# Altium PCB Magway.PcbDoc
Units mm, origin at the board's own origin, x right, y up, seen from the top; angles counter-clockwise.
Board outline 24.9 x 12.6 mm, 4 copper layers (Top Layer, Layer 1, Layer 2, Bottom Layer), stack 0.603 mm thick; 30 components, 28 nets, 159 pads, 61 vias.
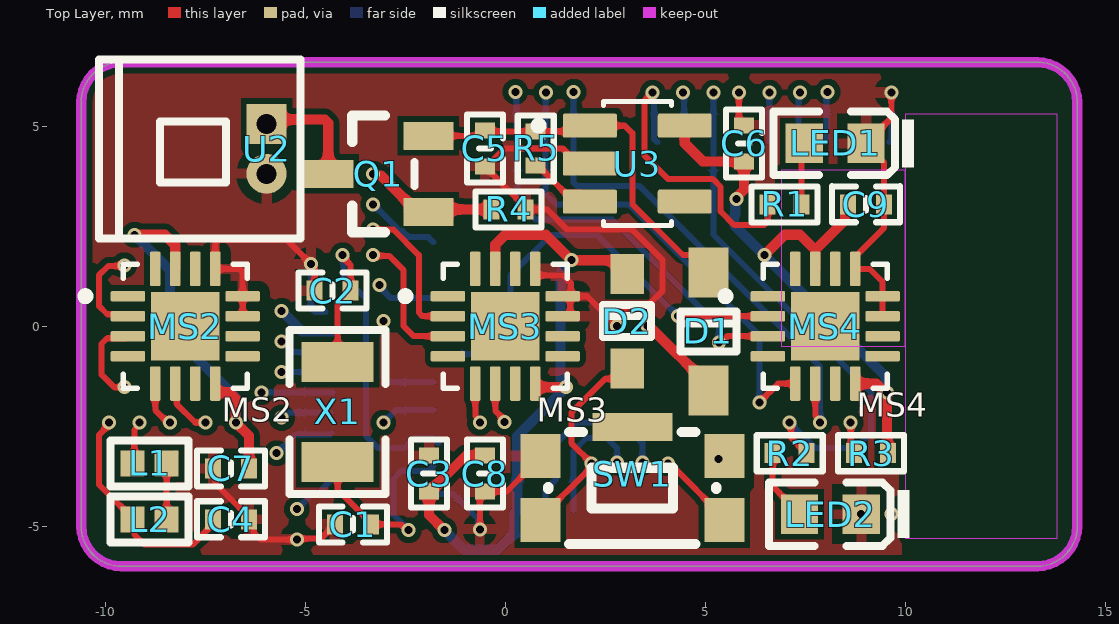
[diagram p0: Top Layer view]
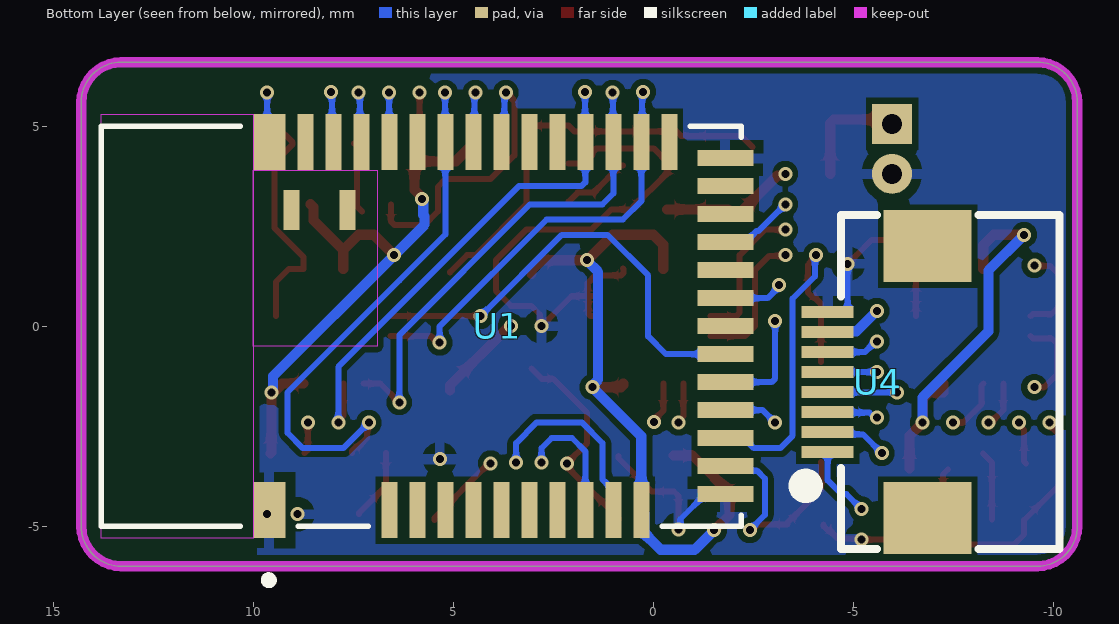
[diagram p1: Bottom Layer view, seen from below]
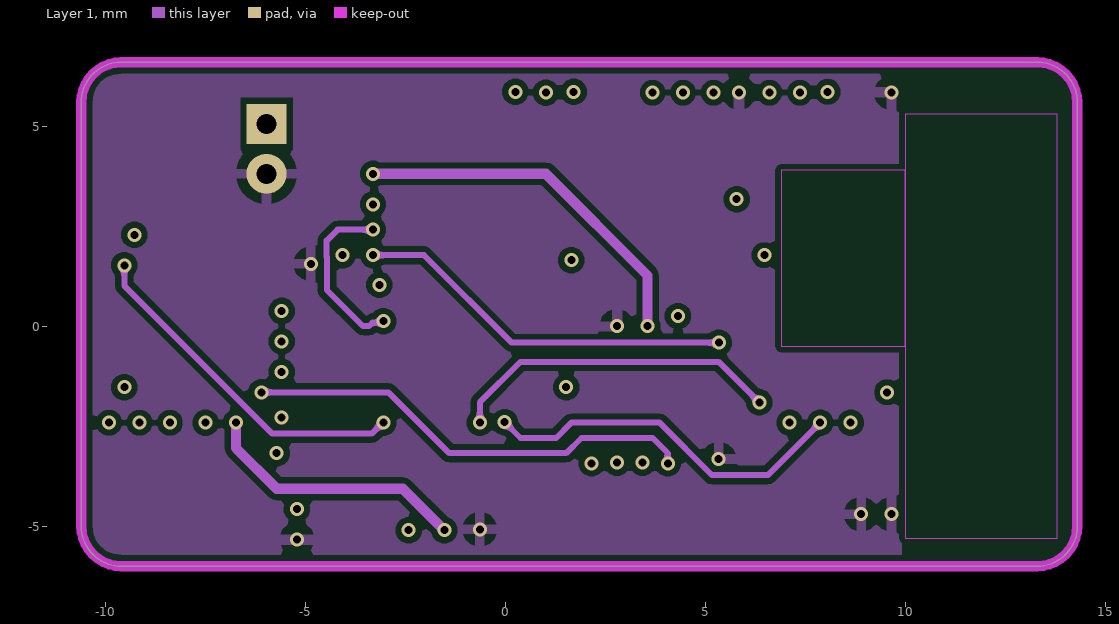
[diagram p2: Layer 1]
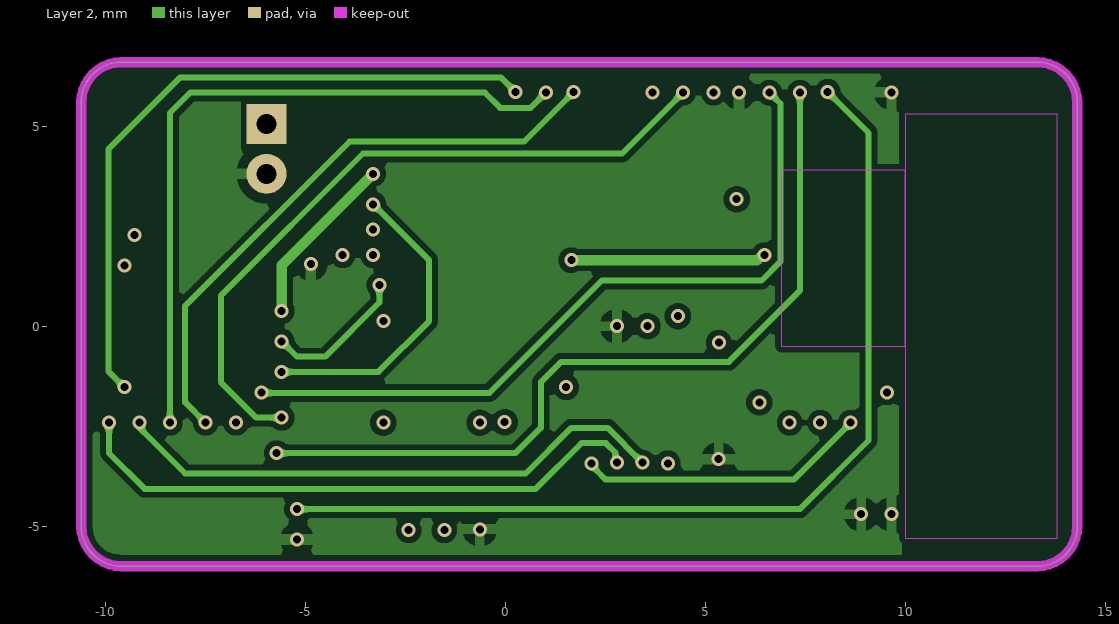
[diagram p3: Layer 2]
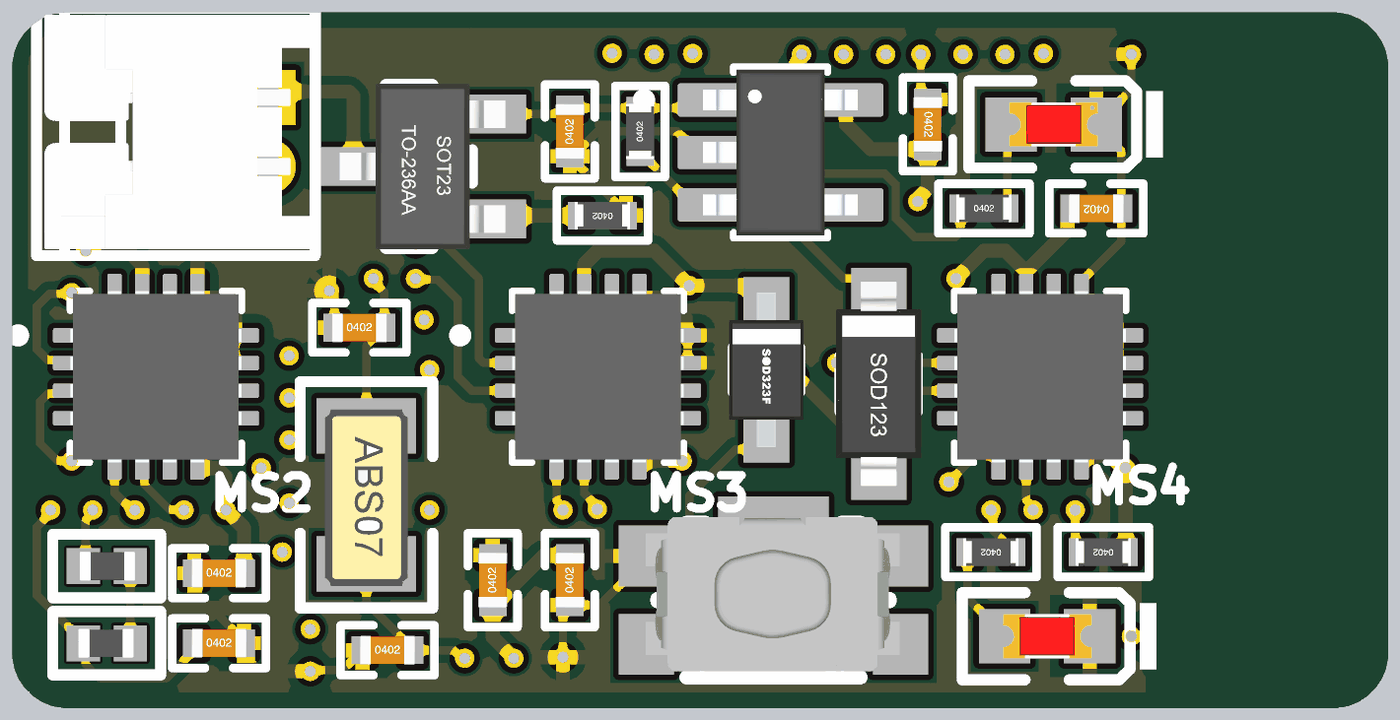
[diagram p4: 3D render of the assembled board from above, using the file's embedded part models]

## Layer stack, top to bottom
Top Solder: solder mask 0.0102, Solder Resist, Dk 3.5
Top Layer: signal copper 0.0356
Dielectric 2: prepreg 0.0711, PP-006, Dk 4.1
Layer 1: signal copper 0.035
Dielectric 1: dielectric 0.32, FR-4, Dk 4.8
Layer 2: signal copper 0.035
Dielectric 3: prepreg 0.0711, PP-006, Dk 4.1
Bottom Layer: signal copper 0.0356
Bottom Solder: solder mask 0.0102, Solder Resist, Dk 3.5

## Board outline
-10.6,-5 -10.6,5.6 cw(c-9.6,5.6) -9.6,6.6 13.3,6.6 cw(c13.3,5.6) 14.3,5.6 14.3,-5 cw(c13.3,-5) 13.3,-6 -9.6,-6 cw(c-9.6,-5)

## Design rules (kind name [scope] priority, off if disabled: settings)
Clearance [All] p1: gap=0.15 ignorepadtopadclearanceinfootprint=FALSE
PolygonConnect [All] p1: connectstyle=Relief reliefconductorwidth=0.254 reliefentries=4 polygonreliefangle="90 Angle" airgapwidth=0.254
RoutingVias [All] p1: holewidth=0.711 width=1.27 viastyle="Through Hole" minholewidth=0.2 minwidth=0.35 maxholewidth=0.711 maxwidth=1.27
SolderMaskExpansion [All] p1: expansion=0.102 istentingtop=FALSE
Width [All] p1: maxlimit=0.254 minlimit=0.15 preferedwidth=0.15
30 further rules are at their usual default settings.

## Components (designator, comment, footprint, x,y, rotation, side; value= is the part's Value field where it differs from the comment)
C1 "12pF" 0402_C -3.81,-4.953 r0 top
C2 "12pF" 0402_C -4.318,0.889 r0 top
C3 "10uF" 0402_C -1.905,-3.683 r90 top
C4 "1uF" 0402_C -6.858,-4.826 r0 top
C5 "10uF" 0402_C -0.508,4.445 r90 top
C6 "10uF" 0402_C 5.969,4.572 r270 top
C7 "0.1uF" 0402_C -6.858,-3.556 r0 top
C8 "0.1uF" 0402_C -0.508,-3.683 r90 top
C9 "0.1uF" 0402_C 9.017,3.048 r180 top
D1 "LMBR120FT1G" SOD-123 5.08,-0.127 r270 top
D2 "1N4148" SOD-323F 3.048,0.127 r270 top
L1 "10uH" 0402_L -8.89,-3.429 r0 top
L2 "15nH" 0402_L -8.89,-4.826 r180 top
LED1 "RED" 0603_LED_S1 8.247,4.572 r180 top
LED2 "BLUE" 0603_LED_S1 8.128,-4.699 r180 top
MS2 "MLX90393SLW ABA 011 RE" VQFN-16_EP_3.0x3.0xo.5P -8,0 r0 top
MS3 "MLX90393SLW ABA 011 RE" VQFN-16_EP_3.0x3.0xo.5P 0,0 r0 top locked
MS4 "MLX90393SLW ABA 011 RE" VQFN-16_EP_3.0x3.0xo.5P 8,0 r0 top locked
Q1 "SI2301CDS-T1-GE3" SOT-23(SOT-23-3) -3.175,3.81 r0 top
R1 "1KΩ" 0402_R 6.985,3.048 r0 top
R2 "1KΩ" 0402_R 7.112,-3.175 r180 top
R3 "10KΩ" 0402_R 9.144,-3.175 r180 top
R4 "100KΩ" 0402_R 0.083,2.921 r180 top
R5 "100KΩ" 0402_R 0.762,4.445 r90 top
SW1 "KMR231GLFS" KMR231GLFS 3.175,-3.683 r0 top
U1 "MDBT42Q-512KV2" SMD_10.0X16.0 3.9,0 r90 bottom locked
U2 "CELL HOLDER" "BAT_MX 1.25-WI-2P" -5.969,4.435 r270 top
U3 "AP2112K-3.3TRG1" SOT95P285X140-5N 3.302,4.064 r0 top
U4 "USB_CHARGING_BOARD" "FPC0.5 2H-WS-8P" -6.858,-1.397 r90 bottom
X1 "32.768KHz" "SMD-3215_2P FC - 135" -4.191,-2.139 r270 top

## Footprints (in the part's own frame and the unit in brackets; to place one, negate y for a bottom-side part, rotate by r counter-clockwise, add the part's x,y. Pads: shape width x height; smd on the part's side, far side on the other; paste and mask are expansions set on the pad)
0402_C [mm] "无极性贴片电容"
  rect 0.4x0.5 smd: 1(-0.45,0) 2(0.45,0)
  silkscreen extent -0.85,-0.45 0.85,0.45, body extent -0.5,-0.26 0.5,0.26, height 0.54
0402_L [mm]
  rect 0.6x0.65 smd mask+0.051: 1(-0.425,0) 2(0.425,0)
  silkscreen extent -0.97,-0.58 0.97,0.58, body extent -0.51,-0.26 0.54,0.26, height 0.36
0402_R [mm] "1/16W贴片电阻"
  rect 0.4x0.5 smd: 1(-0.425,0) 2(0.425,0)
  silkscreen extent -0.82,-0.45 0.83,0.45, body extent -0.5,-0.25 0.5,0.25, height 0.3
0603_LED_S1 [mm]
  rect 0.93x0.98 smd: A(0.77,0) K(-0.77,0)
  silkscreen extent -1.98,-0.79 1.54,0.79, body extent -0.8,-0.4 0.8,0.4, height 0.6
"BAT_MX 1.25-WI-2P" [mm] "长：4.25mm，宽：1.8mm，高：3.3mm"
  rect 1x1 hole 0.5: 1(-0.625,0)
  round 1 hole 0.5: 2(0.625,0)
  silkscreen extent -2.24,-4.19 2.24,0.85, body extent -2.12,-4.05 2.13,0.85, height 3.35
"FPC0.5 2H-WS-8P" [mm] "长：8.2mm，宽：5.2mm，高：2mm 淘宝ID:黄晶宝石   店铺网址:https://shop463601444.taobao.com"
  rect 1.8x2.2 smd: 0(-3.4,0) 0(3.4,0)
  rect 0.3x1.3 smd: 1(-1.75,2.497) 2(-1.25,2.497) 3(-0.75,2.497) 4(-0.25,2.497) 5(0.25,2.497) 6(0.75,2.497) 7(1.25,2.497) 8(1.75,2.497)
  silkscreen extent -4.17,-3.3 4.17,3.23, body extent -3.75,-2.99 3.75,2.41, height 2.92
KMR231GLFS [mm]
  rect 1x1.1 smd: 1(-2.3,-1.162) 2(-2.3,0.438) 3(2.3,-1.162) 4(2.3,0.438)
  rect 2x0.7 smd: 5(0,1.162)
  silkscreen extent -2.1,-1.76 2.1,1.04, body extent -2.31,-1.65 2.29,1.15, height 1.92
"SMD-3215_2P FC - 135" [mm]
  rect 1x1.8 smd: 1(-1.25,0) 2(1.25,0)
  silkscreen extent -2.05,-1.2 2.05,1.2, body extent -1.55,-0.75 1.65,0.75, height 0.89
SMD_10.0X16.0 [mm]
  rect 1.4x0.8 smd: 1(-4.6,5.7) 39(4.6,5.7)
  rect 1.4x0.4 smd: 2(-4.6,2.7) 3(-4.6,2) 4(-4.6,1.3) 5(-4.6,0.6) 6(-4.6,-0.1) 7(-4.6,-0.8) 8(-4.6,-1.5) 9(-4.6,-2.2) 10(-4.6,-2.9) 11(-4.6,-3.6) 25(4.6,-4.3) 26(4.6,-3.6) 27(4.6,-2.9) 28(4.6,-2.2) 29(4.6,-1.5) 30(4.6,-0.8) 31(4.6,-0.1) 32(4.6,0.6) 33(4.6,1.3) 34(4.6,2) 35(4.6,2.7) 36(4.6,3.4) 37(4.6,4.1) 38(4.6,4.8)
  rect 0.4x1.4 smd: 12(-4.2,-5.7) 13(-3.5,-5.7) 14(-2.8,-5.7) 15(-2.1,-5.7) 16(-1.4,-5.7) 17(-0.7,-5.7) 18(0,-5.7) 19(0.7,-5.7) 20(1.4,-5.7) 21(2.1,-5.7) 22(2.8,-5.7) 23(3.5,-5.7) 24(4.2,-5.7)
  rect 1x0.4 smd: 40(2.9,5.15) 41(2.9,3.75)
  Keep-Out Layer region: 5.3,6.1 -5.3,6.1 -5.3,9.9 5.3,9.9
  Keep-Out Layer region: 5.3,6.1 -5.3,6.1 -5.3,9.9 5.3,9.9
  Keep-Out Layer region: 3.9,3 -0.5,3 -0.5,6.1 3.9,6.1
  Keep-Out Layer region: 5.3,6.1 -5.3,6.1 -5.3,9.9 5.3,9.9
  silkscreen extent -6.45,-6.1 5,9.9, body extent -5,-6.09 5,9.9, height 2.2
SOD-123 [mm]
  rect 1.25x1 smd: 1(1.475,0) 2(-1.475,0)
  silkscreen extent -0.5,-0.7 0.5,0.7, body extent -1.85,-0.77 1.85,0.78, height 1.35
SOD-323F [mm]
  rect 1x0.83 smd: 1(1.18,0) 2(-1.18,0)
  silkscreen extent -0.4,-0.6 0.4,0.6, body extent -1.4,-0.67 1.4,0.68, height 0.75
SOT95P285X140-5N [mm]
  rrect15% 1.35x0.6 smd: 1(-1.185,0.95) 2(-1.185,0) 3(-1.185,-0.95) 4(1.185,-0.95) 5(1.185,0.95)
  silkscreen extent -2.57,-1.55 0.85,1.55, body extent -1.4,-1.5 1.4,1.5, height 1.4
SOT-23(SOT-23-3) [mm]
  rect 1.25x0.7 smd: 1(1.25,-0.95) 2(1.25,0.95) 3(-1.25,0)
  silkscreen extent -0.65,-1.46 0.9,1.46, body extent -1.5,-1.5 1.5,1.5, height 1.3
VQFN-16_EP_3.0x3.0xo.5P [mm]
  rrect25% 0.86x0.26 smd: 1(-1.435,0.75) 2(-1.435,0.25) 3(-1.435,-0.25) 4(-1.435,-0.75) 9(1.435,-0.75) 10(1.435,-0.25) 11(1.435,0.25) 12(1.435,0.75)
  rrect25% 0.26x0.86 smd: 5(-0.75,-1.435) 6(-0.25,-1.435) 7(0.25,-1.435) 8(0.75,-1.435) 13(0.75,1.435) 14(0.25,1.435) 15(-0.25,1.435) 16(-0.75,1.435)
  rect 1.71x1.71 smd paste-2: 17(0,0)
  silkscreen extent -2.59,-1.55 1.55,1.55, body extent -1.55,-1.55 1.55,1.55, height 1

## Part data
C1 C2: library part CAP_12pF, "capacitance"
C3 C4 C5 C6: library part CAP_10uF, "capacitance", Package=0805, SuppliersPartNumber=C15850, ComponentLink1Description=供应商链接, ComponentLink1URL=http://www.szlcsc.com/product/details_16532.html, Supplier=LC
C7 C8 C9: library part CAP_1uF, "capacitance", Package=0603, SuppliersPartNumber=C15849, ComponentLink1Description=供应商链接, ComponentLink1URL=http://www.szlcsc.com/product/details_16531.html, Supplier=LC
D1: library part DIO_5, "schottky diode", Package=SOD-123, SuppliersPartNumber=C8598, ComponentLink1Description=供应商链接, ComponentLink1URL=http://www.szlcsc.com/product/details_9093.html, Supplier=LC
D2: library part DIO_4, "diode", Package=SOD-323, SuppliersPartNumber=C2128, ComponentLink1Description=供应商链接, ComponentLink1URL=http://www.szlcsc.com/product/details_2485.html, Supplier=LC
L1: library part IND_10uH, "inductance", Package=0805, SuppliersPartNumber=C1046, ComponentLink1Description=供应商链接, ComponentLink1URL=http://www.szlcsc.com/product/details_1398.html, Supplier=LC
L2: library part IND_15nH, "inductance", Package=0805, SuppliersPartNumber=C1046, ComponentLink1Description=供应商链接, ComponentLink1URL=http://www.szlcsc.com/product/details_1398.html, Supplier=LC
LED1: library part LED_RED, "LED", Package=0603, SuppliersPartNumber=C2286, ComponentLink1Description=供应商链接, ComponentLink1URL=http://www.szlcsc.com/product/details_2659.html, Supplier=LC
LED2: library part LED_BLUE, "LED", Package=0603, SuppliersPartNumber=C72041, ComponentLink1Description=供应商链接, ComponentLink1URL=http://www.szlcsc.com/product/details_73150.html, Supplier=LC
MS2 MS3 MS4: "sensor"
Q1: library part MOS, "field effect tube", Package=SOT-23(SOT-23-3), SuppliersPartNumber=C10487, ComponentLink1Description=供应商链接, ComponentLink1URL=http://www.szlcsc.com/product/details_11030.html, Supplier=LC
R1 R2 R3: library part RES_1KΩ, "resistance", Package=0603, SuppliersPartNumber=C25819, ComponentLink1Description=供应商链接, ComponentLink1URL=http://www.szlcsc.com/product/details_26562.html, Supplier=LC
R4 R5: library part RES_100KΩ, "resistance", Package=0603, SuppliersPartNumber=C25819, ComponentLink1Description=供应商链接, ComponentLink1URL=http://www.szlcsc.com/product/details_26562.html, Supplier=LC
SW1: "Tactile Switch SPST-NO Top Actuated Surface Mount"
U1: "RAYTAC  MDBT42Q-512KV2 Bluetooth Low Energy Module https://www.raytac.com/product/ins.php?index_id=31 https://www.snapeda.com/parts/MDBT42Q-512KV2/Raytac%20Corporation/view-part/?ref=search&t=MDBT42Q-512KV2"
U2: library part BAT, "button cell battary holder BS-08-B2AA025"
U3: library part AP2112K, "LDO_ low dropout linear regulator"
X1: library part ABS07-32.768KHZ-7-T, "crystal", Package=SMD-3215_2P, SuppliersPartNumber=C32346, ComponentLink1Description=供应商链接, ComponentLink1URL=http://www.szlcsc.com/product/details_33310.html, Supplier=LC

## Via types
v1: diameter 0.35, hole 0.2, Top Layer to Bottom Layer, 61 vias

## Nets (pads, with @x,y where several pads share a name; then routed paths per layer and width w, separated by ;. In a path a pad name is that pad's centre, name@x,y a point inside that pad or via, vN(x,y) a via of type N, cw(c..) or ccw(c..) an arc to the next point about the centre after c; other vN are vias at no path point)
2: MS2.2 U1.15 | length 12.3
  Top Layer w0.15: v1(-9.525,1.524) -9.544,1.505 -9.925,1.505 -10.16,1.27 -10.16,0.508 -9.957,0.305 -9.49,0.305 MS2.2
  Layer 1 w0.15: v1(-9.525,1.524) -9.525,1.016 -5.823,-2.686 -3.341,-2.686 -3.068,-2.413 v1(-3.048,-2.413)
  Bottom Layer w0.15: v1(-3.048,-2.413) -2.735,-2.1 U1.15
3: MS3.2 U1.16 | length 10.7
  Top Layer w0.15: v1(-3.302,2.413) -2.794,2.413 -2.159,1.778 -2.159,0.342 -2.071,0.254 -1.439,0.254 MS3.2
  Layer 1 w0.15: v1(-3.302,2.413) -4.191,2.413 -4.464,2.14 -4.464,1.728 -4.461,1.724 -4.461,0.905 -3.556,0 -3.406,0 -3.317,0.089 -3.086,0.089 v1(-3.048,0.127)
  Bottom Layer w0.15: v1(-3.048,0.127) -3.048,-1.309 -2.96,-1.397 -1.803,-1.397 U1.16
3V3: C3.1 C6.2 C7.2 C8.2 C9.2 D2.2 MS2.8 MS2.15 MS3.8 MS3.15 MS4.8 MS4.15 R3.1 U1.11 U3.5 | length 55.2
  Top Layer w0.254: v1(-9.271,2.286) -8.509,2.286 -8.25,2.027 MS2.15 ; MS2.8 -7.25,-1.65 -7.247,-1.653 -6.896,-1.653 -6.747,-1.801 -6.747,-2.397 -6.408,-2.736 C7.2 ; v1(-1.524,-5.099) -1.905,-4.718 C3.1 -1.855,-4.133 -1.73,-4.008 -1.73,-3.98 -0.983,-3.233 C8.2 ; MS3.15 -0.25,2.036 0,2.286 1.016,2.286 v1(1.651,1.651) 2.789,1.651 3.048,1.392 D2.2 ; MS3.8 0.75,-1.469 0.805,-1.524 v1(1.524,-1.524) ; U3.5 4.487,4.572 4.937,4.122 C6.2 5.969,3.411 5.787,3.229 v1(5.787,3.175) ; v1(6.477,1.778) 6.985,2.286 7.37,2.286 7.75,1.906 ; MS4.15 7.75,1.79 7.75,1.906 ; C9.2 8.494,2.975 8.494,2.65 7.75,1.906 ; MS4.8 9.274,-1.435 9.49,-1.651 v1@9.525,-1.651 ; v1(9.544,-1.651) v1@9.525,-1.651 ; R3.1 9.547,-3.153 9.547,-1.673 v1@9.525,-1.651
  Layer 1 w0.254: v1(-6.731,-2.413) -6.731,-3.048 -5.715,-4.064 -2.559,-4.064 v1(-1.524,-5.099)
  Layer 2 w0.254: v1(1.651,1.651) 6.296,1.651 6.423,1.778 v1(6.477,1.778)
  Bottom Layer w0.254: v1(-9.271,2.286) -8.382,1.397 -8.382,-0.127 -6.731,-1.778 v1(-6.731,-2.413) ; v1(-1.524,-5.099) -1.035,-5.588 -0.188,-5.588 0.227,-5.173 0.227,-4.673 U1.11 0.3,-2.748 v1(1.524,-1.524) 1.524,-1.482 1.378,-1.336 1.378,1.358 1.651,1.632 v1(1.651,1.651) ; v1(5.787,3.175) 5.749,3.137 5.749,2.783 5.715,2.749 5.715,2.54 v1(6.477,1.778) 9.506,-1.251 9.506,-1.613 v1(9.544,-1.651)
4: MS4.2 U1.17 | length 11.3
  Top Layer w0.15: v1(4.318,0.254) 4.32,0.252 6.563,0.252 MS4.2
  Bottom Layer w0.15: U1.17 -0.319,-0.7 0.127,-0.254 0.127,1.27 1.143,2.286 2.286,2.286 v1(4.318,0.254)
GND: C1.1 C2.1 C3.2 C4.2 C5.1 C6.1 C7.1 C8.1 C9.1 LED1.K LED2.K MS2.11 MS2.12 MS2.13 MS3.11 MS3.12 MS3.13 MS4.11 MS4.12 MS4.13 R4.1 SW1.2 SW1.4 U1.1 U1.12 U1.24 U1.39 U2.2 U3.2 U4.8 | length 39.9
  Top Layer w0.15: C7.1@-7.366,-3.583 -7.241,-3.708 -7.241,-3.943 -6.406,-4.778 C4.2@-6.406,-4.878 ; MS2.11 -6.565,1.347 -6.653,1.435 MS2.13 -7.25,2.071 -7.162,2.159 -5.461,2.159 -5.08,1.778 -4.768,1.466 C2.1 ; C4.2 -6.283,-4.951 -6.283,-5.164 -6.113,-5.334 v1(-5.207,-5.334) -5.182,-5.309 -4.616,-5.309 -4.435,-5.128 -4.385,-5.128 -4.26,-5.003 C1.1 ; v1(-0.635,-5.08) -0.635,-4.251 -0.517,-4.133 0.037,-4.133 0.875,-3.295 SW1.2 ; C5.1 C5.1@-0.458,3.995 ; MS3.13@0.762,1.447 MS3.13 0.75,1.325 0.805,1.27 1.447,1.27 1.639,1.078 1.639,0.805 1.584,0.75 MS3.12 1.597,0.75 2.044,0.75 v1(2.794,0) 2.832,0.038 2.832,0.292 3.048,0.508 3.556,0.508 3.937,0.889 3.937,1.651 3.175,2.413 1.551,2.413 1.043,2.921 R4.1 0.508,2.971 -0.333,3.812 -0.333,3.87 C5.1@-0.458,3.995 ; MS3.11 1.568,0.25 1.623,0.305 MS3.12@1.623,0.695 ; U3.2 1.742,4.064 1.517,4.289 1.517,4.357 1.429,4.445 -0.008,4.445 C5.1@-0.458,3.995 ; v1(5.842,5.842) 5.842,5.147 5.967,5.022 C6.1 ; LED1.K@9.017,4.547 9.467,4.097 9.467,2.452 8.75,1.735 MS4.13 9.106,1.435 9.435,1.106 MS4.12 MS4.11 ; LED1.K 9.017,4.597 9.407,4.987 9.432,4.987 9.652,5.207 v1(9.652,5.842)
  Bottom Layer w0.15: v1(-4.861,1.559) -4.861,0.428 -4.826,0.428 -4.751,0.353 U4.8@-4.488,0.353 ; U1.12 -1.3,-4.2 -0.681,-4.819 -0.681,-4.98 -0.635,-5.026 v1(-0.635,-5.08) ; U1.39 9.652,4.652 v1(9.652,5.842)
  other v1: 8.898,-4.699 9.652,-4.699 5.334,-3.321
MISO: MS2.6 MS3.6 MS4.6 U1.28 | length 39.6
  Top Layer w0.15: MS2.6 -8.208,-1.477 -8.208,-1.952 -7.753,-2.407 -7.499,-2.407 v1(-7.493,-2.413) ; MS3.6 -0.25,-2.109 -0.013,-2.346 v1(-0.013,-2.4) ; MS4.6 7.75,-2.235 7.874,-2.359 v1(7.874,-2.413)
  Layer 1 w0.15: v1(-0.013,-2.4) 0.381,-2.794 1.27,-2.794 1.651,-2.413 3.86,-2.413 5.168,-3.721 6.566,-3.721 v1(7.874,-2.413)
  Layer 2 w0.15: v1(-7.493,-2.413) -8.001,-1.905 -8.001,0.508 -3.891,4.618 0.474,4.618 v1(1.712,5.856)
  Bottom Layer w0.15: v1(1.712,5.856) 1.706,5.85 1.706,4.606 U1.28 1.7,3.595 1.788,3.507 3.351,3.507 7.874,-1.016 v1(7.874,-2.413)
MOSI: MS2.5 MS3.5 MS4.5 U1.27 | length 40.3
  Top Layer w0.15: MS2.5 -8.75,-2.099 -8.436,-2.413 v1(-8.382,-2.413) ; MS3.5 -0.75,-2.244 -0.635,-2.359 v1(-0.635,-2.413) ; v1(6.35,-1.905) 6.82,-1.435 MS4.5
  Layer 1 w0.15: v1(-0.635,-2.413) -0.635,-1.905 0.381,-0.889 5.334,-0.889 v1(6.35,-1.905)
  Layer 2 w0.15: v1(-8.382,-2.413) -8.382,5.334 -7.874,5.842 -0.508,5.842 -0.127,5.461 0.635,5.461 v1(1.016,5.842)
  Bottom Layer w0.15: v1(1.016,5.842) 1.008,5.834 1.008,4.608 U1.27 1,3.318 1.27,3.048 3.081,3.048 6.35,-0.221 v1(6.35,-1.905)
NetC1_2: C1.2 U1.13 X1.2 | length 5.5
  Top Layer w0.15: X1.2 -4.191,-4.089 -3.502,-4.778 -3.485,-4.778 -3.36,-4.903 C1.2 -2.613,-4.953 -2.467,-5.099 v1(-2.413,-5.099)
  Bottom Layer w0.15: v1(-2.413,-5.099) -2.794,-4.718 -2.794,-3.81 -2.601,-3.617 -1.917,-3.617 U1.13
NetC2_2: C2.2 U1.14 X1.1 | length 9.8
  Top Layer w0.15: X1.1 -4.191,0.566 -4.043,0.714 -3.993,0.714 -3.868,0.839 C2.2 -3.868,1.528 -4.064,1.724 v1(-4.064,1.778)
  Bottom Layer w0.15: v1(-4.064,1.778) -4.043,1.757 -4.043,1.249 -3.486,0.692 -3.486,-2.737 -3.175,-3.048 -2.513,-3.048 -2.425,-2.96 -2.425,-2.925 -2.3,-2.8 U1.14 U1.14@-1.675,-2.925
NetC4_1: C4.1 L2.2 U1.9 | length 23.6
  Top Layer w0.15: v1(-9.906,-2.413) -9.906,-2.467 -10.16,-2.721 -10.16,-3.956 -9.271,-4.845 -9.271,-5.207 -9.017,-5.461 -7.816,-5.461 -7.356,-5.001 -7.306,-5.001 -7.181,-4.876 C4.1@-7.181,-4.826
  Layer 2 w0.15: v1(-9.906,-2.413) -9.906,-3.175 -9.017,-4.064 0.762,-4.064 1.905,-2.921 2.516,-2.921 2.756,-3.161 2.756,-3.372 v1(2.794,-3.41)
  Bottom Layer w0.15: U1.9 1.7,-3.126 2.032,-2.794 2.54,-2.794 2.794,-3.048 v1(2.794,-3.41)
NetC5_2: C5.2 D1.2 Q1.2 R5.2 U3.1 | length 10.4
  Top Layer w0.15: Q1.2@-2.475,4.485 -2.2,4.76 -0.693,4.76 -0.551,4.902 C5.2@-0.515,4.902 ; C5.2 -0.483,4.87 R5.2 1.973,4.87 U3.1 2.987,5.014 3.175,4.826 3.175,3.048 4.443,1.78 4.655,1.78 5.08,1.355 D1.2
NetD2_1: D2.1 R3.2 SW1.1 | length 13.4
  Top Layer w0.15: SW1.1 0.875,-4.795 2.121,-3.549 2.121,-3.467 v1(2.159,-3.429) 1.651,-2.921 1.651,-2.159 2.496,-1.314 2.787,-1.314 D2.1 ; v1(8.636,-2.413) 8.636,-3.092 R3.2
  Layer 2 w0.15: v1(2.159,-3.429) 2.159,-3.483 2.395,-3.719 2.395,-3.723 2.501,-3.829 7.22,-3.829 v1(8.636,-2.413)
  Bottom Layer w0.15: v1(2.159,-3.429) v1@2.159,-3.375
NetL1_1: L1.1 U1.10 | length 20
  Top Layer w0.15: L1.1 -9.271,-3.385 -9.271,-2.594 -9.144,-2.467 v1(-9.144,-2.413)
  Layer 2 w0.15: v1(-9.144,-2.413) -9.106,-2.451 -9.106,-2.578 -8.001,-3.683 0.508,-3.683 1.651,-2.54 2.559,-2.54 v1(3.429,-3.41)
  Bottom Layer w0.15: U1.10 1,-4.1 1.27,-3.83 1.27,-2.921 1.778,-2.413 2.921,-2.413 3.429,-2.921 v1(3.429,-3.41)
NetL1_2: L1.2 L2.1 | length 1.7
  Top Layer w0.15: L2.1 -8.465,-3.404 L1.2@-8.24,-3.179
NetLED1_A: LED1.A R1.2 | length 1.8
  Top Layer w0.15: R1.2@7.285,2.873 7.41,2.998 R1.2 7.41,4.505 LED1.A
NetLED2_A: LED2.A R2.2 | length 1.8
  Top Layer w0.15: R2.2 6.687,-4.003 7.358,-4.674 LED2.A
NetR1_1: R1.1 U1.31 | length 7.6
  Top Layer w0.15: v1(3.683,5.842) 3.475,5.634 3.475,4.272 4.064,3.683 5.185,3.683 5.387,3.481 5.387,2.868 5.727,2.528 6.465,2.528 6.56,2.623 R1.1
  Bottom Layer w0.15: v1(3.683,5.842) 3.721,5.804 3.721,4.679 U1.31
NetR2_1: R2.1 U1.33 | length 13.6
  Top Layer w0.15: v1(7.112,-2.413) 7.15,-2.451 7.15,-2.788 7.362,-3 7.412,-3 7.537,-3.125 R2.1
  Bottom Layer w0.15: v1(5.207,5.842) 5.203,5.838 5.203,4.603 U1.33 5.2,2.293 6.35,1.143 9.144,-1.651 9.144,-2.667 8.763,-3.048 7.747,-3.048 v1(7.112,-2.413)
NetR5_1: R5.1 U3.3 | length 1.7
  Top Layer w0.15: R5.1 0.812,4.02 1.493,3.339 1.892,3.339 U3.3
RESET: SW1.3 U1.35 U4.4 | length 35.1
  Top Layer w0.15: v1(4.064,-3.429) 4.109,-3.429 5.475,-4.795 SW1.3
  Layer 1 w0.15: v1(-6.096,-1.651) -2.921,-1.651 -1.397,-3.175 1.524,-3.175 1.905,-2.794 3.683,-2.794 4.058,-3.169 4.058,-3.423 v1(4.064,-3.429)
  Layer 2 w0.15: v1(-6.096,-1.651) -6.077,-1.67 -0.4,-1.67 2.413,1.143 6.408,1.143 6.877,1.612 6.877,5.569 v1(6.604,5.842)
  Bottom Layer w0.15: v1(-6.096,-1.651) U4.4@-4.309,-1.651 ; U1.35 6.602,4.602 6.602,5.84 v1(6.604,5.842)
RXD: U1.21 U4.5 | length 10.9
  Layer 2 w0.15: v1(-5.588,-1.143) -3.175,-1.143 -1.905,0.127 -1.905,1.651 v1(-3.302,3.048)
  Bottom Layer w0.15: v1(-5.588,-1.143) -5.586,-1.145 -4.272,-1.145 U4.5@-4.27,-1.147 ; v1(-3.302,3.048) -2.629,2.375 -2.575,2.375 -2.425,2.225 -1.925,2.225 U1.21
SCL: MS2.3 MS3.3 MS4.3 U1.26 | length 43.3
  Top Layer w0.15: v1(-9.525,-1.524) -9.779,-1.524 -10.098,-1.205 -10.098,-0.446 -9.957,-0.305 -9.49,-0.305 MS2.3 ; v1(-3.302,1.778) -3.283,1.759 -2.902,1.759 -2.54,1.397 -2.54,0 -2.29,-0.25 MS3.3 ; v1(5.34,-0.412) 5.394,-0.412 5.555,-0.25 MS4.3
  Layer 1 w0.15: v1(-3.302,1.778) -2.032,1.778 0.158,-0.412 v1(5.34,-0.412)
  Layer 2 w0.15: v1(-9.525,-1.524) -9.925,-1.124 -9.925,4.426 -8.128,6.223 -0.108,6.223 v1(0.254,5.861)
  Bottom Layer w0.15: v1(0.254,5.861) 0.277,5.838 0.277,4.623 U1.26 0.3,3.129 0.762,2.667 2.667,2.667 5.34,-0.006 v1(5.34,-0.412)
SWDCLK: U1.36 U4.2 | length 23.2
  Layer 2 w0.15: v1(-5.715,-3.175) 0.254,-3.175 0.889,-2.54 0.889,-1.397 1.397,-0.889 5.588,-0.889 7.366,0.889 v1(7.366,5.842)
  Bottom Layer w0.15: v1(-5.715,-3.175) -5.247,-2.707 -4.382,-2.707 U4.2@-4.342,-2.667 ; U1.36 7.333,4.633 7.333,5.809 v1(7.366,5.842)
SWDIO: U1.37 U4.1 | length 27.3
  Layer 2 w0.15: v1(-5.207,-4.572) 7.366,-4.572 9.082,-2.856 9.082,4.836 v1(8.062,5.856)
  Bottom Layer w0.15: v1(-5.207,-4.572) -4.828,-4.193 -4.701,-4.193 -4.361,-3.853 U4.1 ; U1.37 8.031,4.631 8.031,5.825 v1(8.062,5.856)
SWO: U1.32 U4.3 | length 20.3
  Layer 2 w0.15: v1(-5.588,-2.286) -6.223,-2.286 -7.112,-1.397 -7.112,0.762 -3.556,4.318 2.921,4.318 v1(4.445,5.842)
  Bottom Layer w0.15: v1(-5.588,-2.286) -5.534,-2.286 -5.407,-2.159 U4.3@-4.353,-2.159 ; v1(4.445,5.842) 4.473,5.814 4.473,4.628 U1.32
TXD: U1.19 U4.6 | length 6.6
  Layer 2 w0.15: v1(-5.588,-0.381) -5.207,-0.762 -4.503,-0.762 -3.147,0.594 v1(-3.147,1.034)
  Bottom Layer w0.15: v1(-5.588,-0.381) -5.554,-0.381 -5.288,-0.647 U4.6@-4.228,-0.647 ; v1(-3.147,1.034) -3.147,0.988 -2.859,0.7 U1.19
VBAT: Q1.3 U2.1 | length 2.7
  Top Layer w0.254: U2.1@-5.822,5.167 -4.513,5.167 -4.425,5.079 Q1.3
VBUSIN: D1.1 Q1.1 R4.2 U4.7 | length 20.8
  Top Layer w0.254: v1(-3.302,3.81) -3.264,3.772 -3.112,3.772 -2.2,2.86 Q1.1 -1.864,2.921 R4.2 ; v1(3.556,0) 3.603,0 5.08,-1.477 D1.1
  Layer 1 w0.254: v1(-3.302,3.81) 1.016,3.81 3.556,1.27 v1(3.556,0)
  Layer 2 w0.254: v1(-5.588,0.381) -5.588,1.524 v1(-3.302,3.81)
  Bottom Layer w0.254: v1(-5.588,0.381) -5.083,-0.124 -4.184,-0.124 U4.7@-4.181,-0.127
pads on no net: MS2.1 MS2.4 MS2.7 MS2.9 MS2.10 MS2.14 MS2.16 MS2.17 MS3.1 MS3.4 MS3.7 MS3.9 MS3.10 MS3.14 MS3.16 MS3.17 MS4.1 MS4.4 MS4.7 MS4.9 MS4.10 MS4.14 MS4.16 MS4.17 SW1.5 U1.2 U1.3 U1.4 U1.5 U1.6 U1.7 U1.8 U1.18 U1.20 U1.22 U1.23 U1.25 U1.29 U1.30 U1.34 U1.38 U1.40 U1.41 U3.4 U4.0

## Polygon pours and split planes (outlines as drawn)
GND on Bottom Layer "GND_L04_P004" (solid, remove dead copper, pour order 4): -10.6,-5 -10.6,5.6 cw(c-9.6,5.6) -9.6,6.6 13.3,6.6 cw(c13.3,5.6) 14.3,5.6 14.3,-5 cw(c13.3,-5) 13.3,-6 -9.6,-6 cw(c-9.6,-5)
GND on Layer 2 "GND_L03_P002" (solid, remove dead copper, pour order 2): -10.6,-5 ccw(c-9.6,-5) -9.6,-6 13.3,-6 ccw(c13.3,-5) 14.3,-5 14.3,5.5 ccw(c13.3,5.5) 13.3,6.5 -3.8,6.5 cw(c-3.8,7.5) -4.8,7.5 ccw(c-5.8,7.5) -5.8,8.5 -9.6,8.5 ccw(c-9.6,7.5) -10.6,7.5
GND on Layer 1 "GND_L02_P001" (solid, remove dead copper, pour order 1): -10.6,-5 ccw(c-9.6,-5) -9.6,-6 13.3,-6 ccw(c13.3,-5) 14.3,-5 14.3,5.5 ccw(c13.3,5.5) 13.3,6.5 -3.8,6.5 cw(c-3.8,7.5) -4.8,7.5 ccw(c-5.8,7.5) -5.8,8.5 -9.6,8.5 ccw(c-9.6,7.5) -10.6,7.5
GND on Top Layer "GND_L01_P000" (solid, remove dead copper, pour order 0): -10.6,-5 ccw(c-9.6,-5) -9.6,-6 13.3,-6 ccw(c13.3,-5) 14.3,-5 14.3,5.5 ccw(c13.3,5.5) 13.3,6.5 -3.8,6.5 cw(c-3.8,7.5) -4.8,7.5 ccw(c-5.8,7.5) -5.8,8.5 -9.6,8.5 ccw(c-9.6,7.5) -10.6,7.5

## Keep-outs
Keep-Out Layer:
  the board outline again, w0.254

## Other copper
Multi-Layer:
  pour cut-out: 19.304,-7.62 19.304,9.144 9.906,9.144 9.906,-7.62

## Silkscreen, mask and mechanical layers (free items; w line width, h text height)
Top Overlay:
  text "MS4" at 8.786,-2.263 h0.6
  text "MS2" at -7.089,-2.39 h0.6
  text "MS3" at 0.785,-2.39 h0.6

## Text inside footprints (layer, text, board x,y; h text height)
U1: Mechanical 13 "No ground pad" at 12.155,-3.937 h0.64 r270